# Altium PCB PCB_with_drawing_try2.PcbDoc (part 2 of 5) (continued)
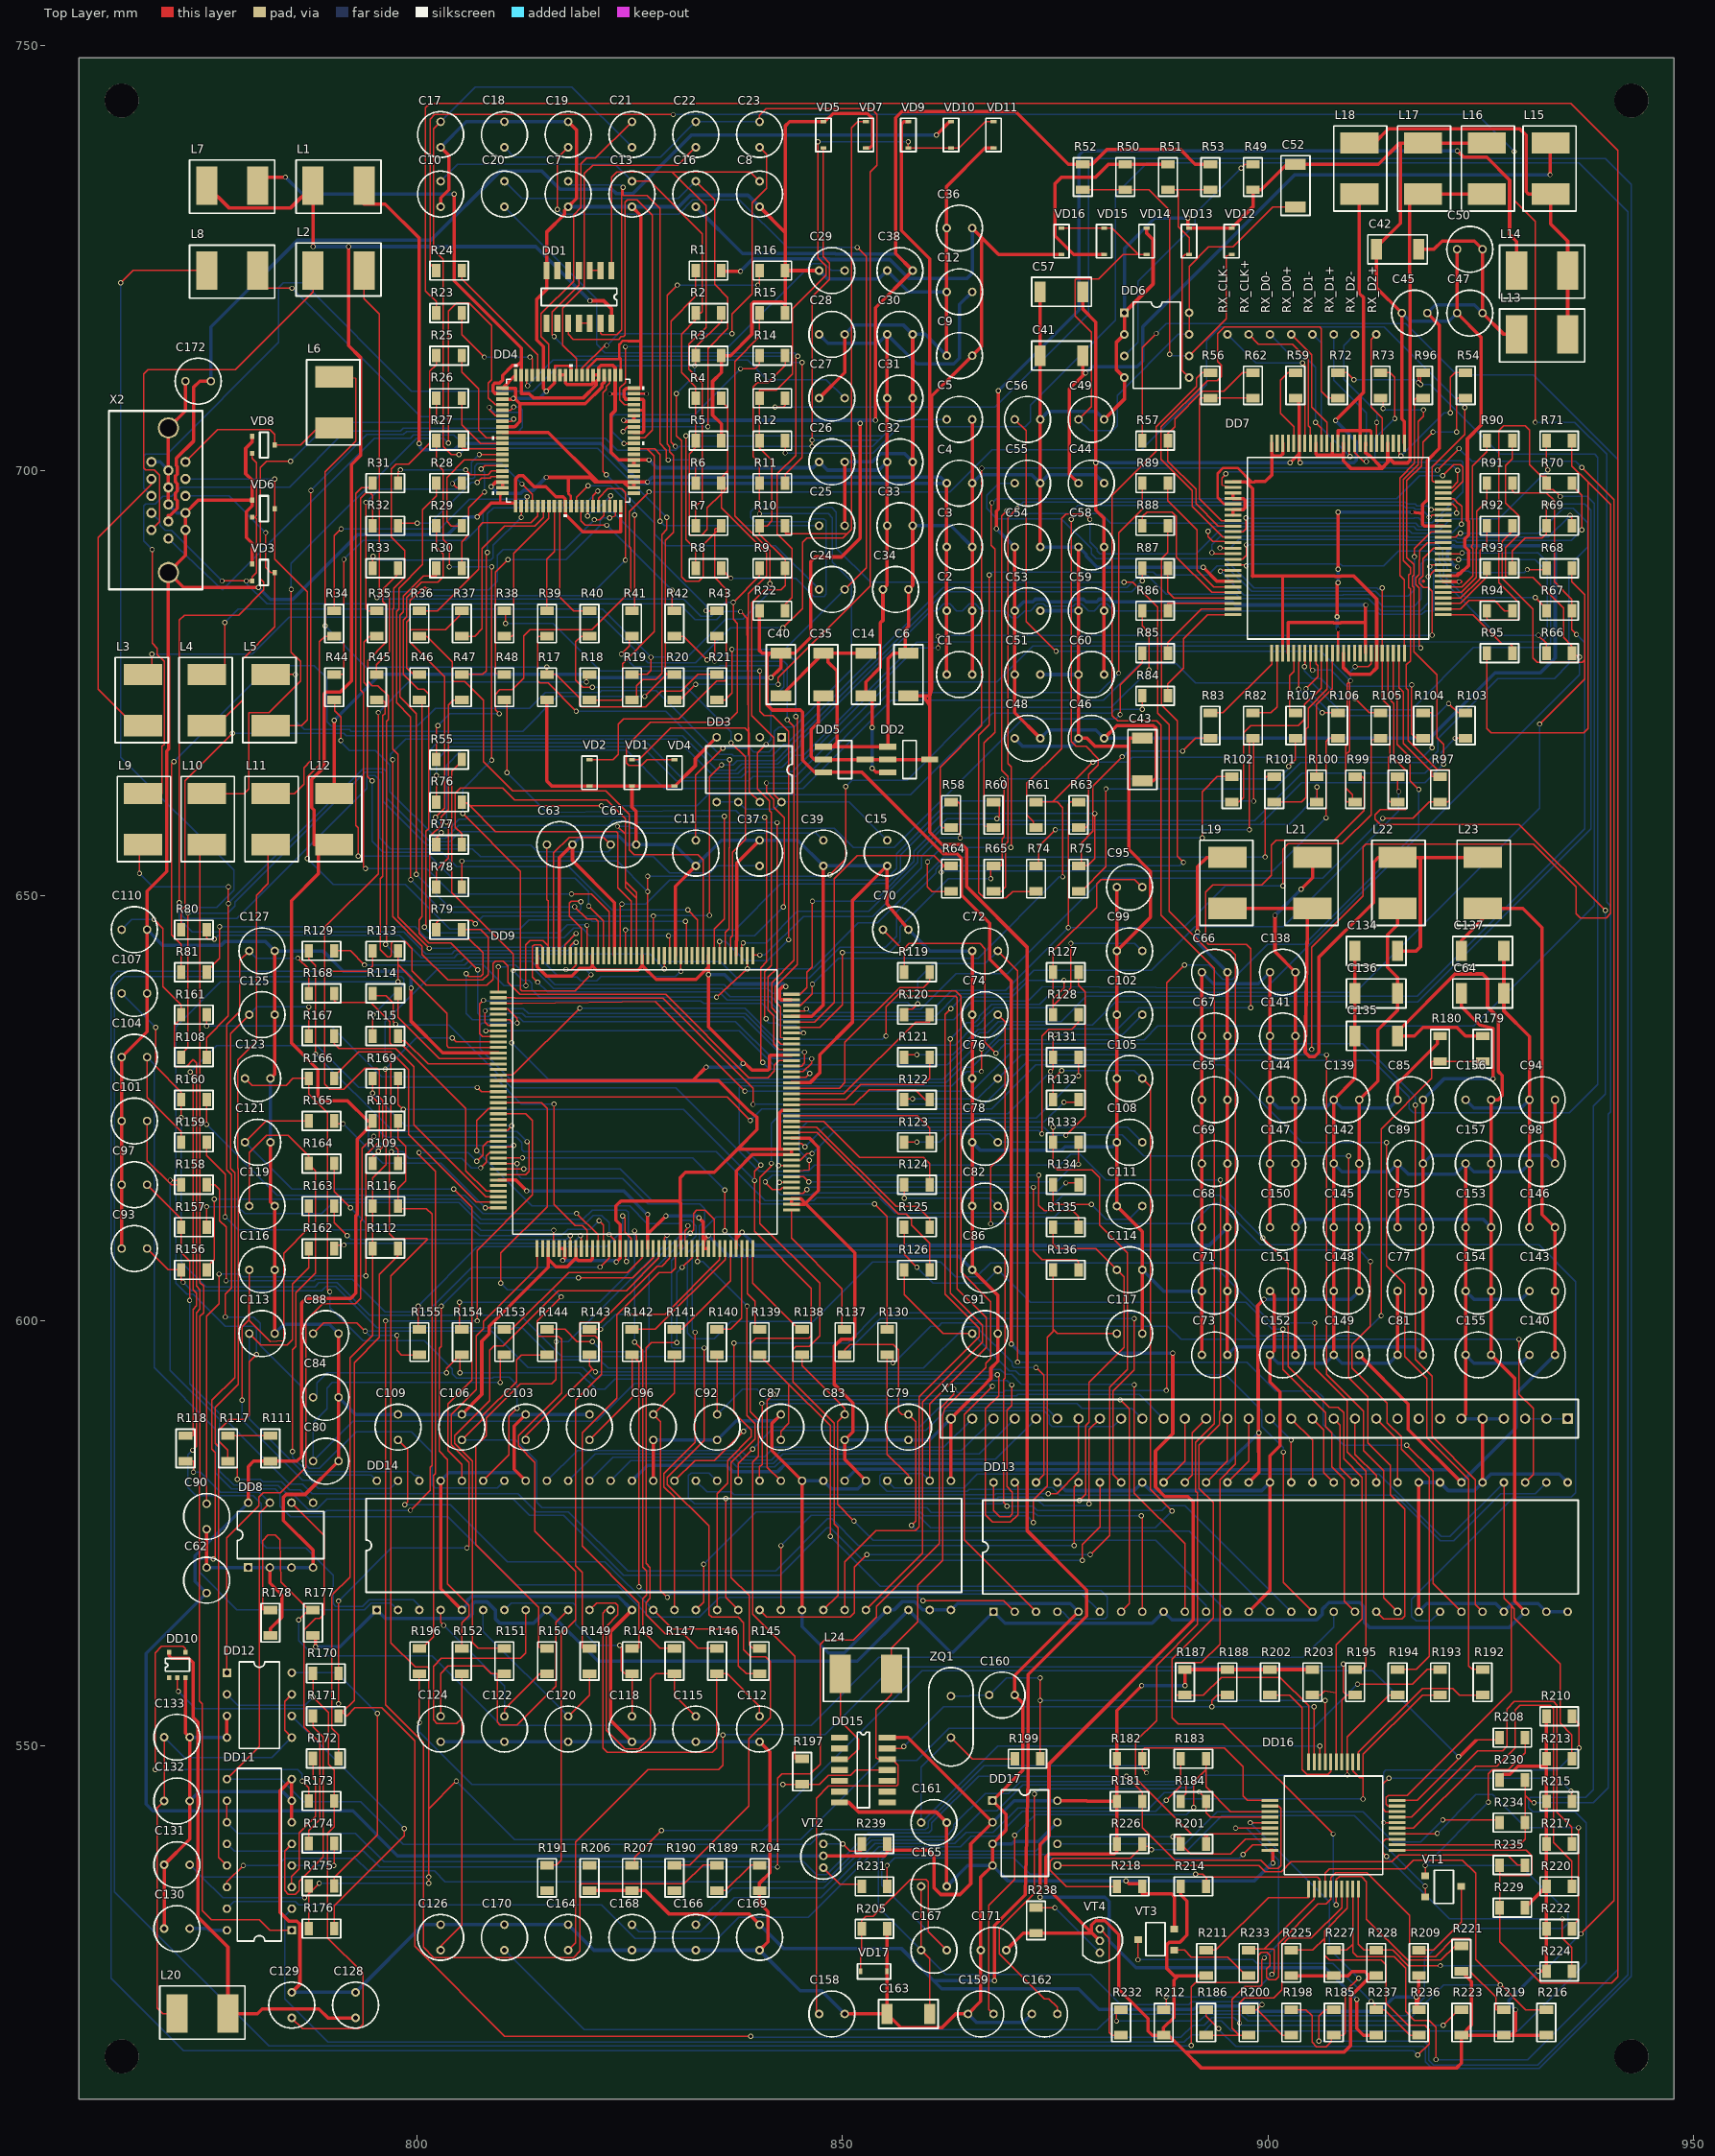
[diagram p0: Top Layer view]
## Nets (pads, with @x,y where several pads share a name; then routed paths per layer and width w, separated by ;. In a path a pad name is that pad's centre, name@x,y a point inside that pad or via, vN(x,y) a via of type N, cw(c..) or ccw(c..) an arc to the next point about the centre after c; other vN are vias at no path point) (continued)
  Bottom Layer w0.15: v1(801.399,643.793) 803.873,643.793 804.008,643.928 817.053,643.928 v1(818.671,645.546)
B_INB0: DD9.1 R73.2 R97.2 | length 184.1
  Top Layer w0.15: v1(809.527,641.634) 809.527,638.65 DD9.1@809.55,638.65 ; R73.2@913.25,708.5 913.54,708.5 v1(913.54,707.268) ; v1(913.514,659.084) 917.085,659.084 919.001,661 R97.2@920.25,661 921.171,661 921.338,661.167 921.338,664.825 919.932,664.825 916.512,668.245 916.512,674.152 916.289,674.375 916.289,677.15 916.753,677.614 916.753,686.073 916.578,686.249 916.578,687.691 916.753,687.867 916.753,688.576 915.936,689.394 915.936,691.156 915.936,698.958 917.652,700.674 917.652,705.742 918.315,706.404 v1(918.315,707.133)
  Bottom Layer w0.15: v1(809.527,641.634) 810.463,641.634 810.644,641.816 811.581,641.816 811.991,641.406 813.732,641.406 816.043,639.094 835.816,639.094 836.786,638.124 841.619,638.124 842.3,637.443 857.64,637.443 858.447,636.637 859.184,636.637 863.356,640.809 869.373,640.809 880.613,652.048 906.479,652.048 v1(913.514,659.084) ; v1(913.54,707.268) 913.675,707.133 v1(918.315,707.133)
B_INB1: DD9.2 R72.2 R96.2 | length 253.6
  Top Layer w0.15: DD9.2@809.55,638 811.469,638 811.493,637.976 828.861,637.976 839.473,627.363 v1(839.473,625.455) ; R72.2@908.25,711.5 909.298,711.5 v1(910.126,710.672) ; v1(917.705,710.316) 917.705,711.5 R96.2@917.959,711.5 ; v1(917.959,710.087) R96.2@917.959,711.5 ; R96.2@918.25,711.5 R96.2@917.959,711.5
  Bottom Layer w0.15: v1(839.473,625.455) 866.677,625.455 871.858,630.636 912.294,630.636 916.587,626.344 916.587,624.972 917.095,624.464 935.46,624.464 938.787,627.791 938.787,701.55 938.429,701.909 927.256,701.909 919.077,710.087 v1(917.959,710.087) ; v1(910.126,710.672) 917.35,710.672 v1(917.705,710.316)
B_INB2: DD9.3 R71.2 R95.2 | length 270.8
  Top Layer w0.15: DD9.3@809.55,637.35 812.38,637.35 827.983,637.529 v1(838.508,627.004) ; v1(905.158,631.932) 905.158,643.92 911.203,649.966 911.203,655.706 911.533,656.036 931.244,656.036 936.222,651.058 936.222,647.889 936.73,647.381 939.778,647.381 940.311,647.914 940.311,695.976 937.661,698.626 ; R95.2@925.75,678.5 925.75,669.676 926.258,669.168 937.153,669.168 937.661,669.676 937.661,698.626 ; R71.2@935.75,703.5 935.75,700.537 937.661,698.626
  Bottom Layer w0.15: v1(838.508,627.004) 865.229,627.004 870.157,631.932 v1(905.158,631.932)
B_INB3: DD9.4 R70.2 R94.2 | length 245.4
  Top Layer w0.15: DD9.4@809.55,636.7 810.626,636.7 811.762,635.564 v1(811.762,635.016) ; R94.2@925.75,683.5 925.75,682.586 925.935,682.401 929.364,682.401 929.542,682.579 929.542,684.408 927.154,686.796 927.154,704.689 927.702,705.236 930.253,705.236 930.761,704.728 930.761,700.696 932.141,699.316 932.75,699.316 R70.2@932.75,698.5 932.75,697.768 933.53,697.768 v1(934.368,696.93)
  Bottom Layer w0.15: v1(811.762,635.016) 807.633,635.016 807.419,634.802 807.419,631.982 811.364,628.037 862.154,628.037 863.95,629.834 865.229,629.834 868.421,633.026 885.449,633.026 887.073,634.649 924.208,634.649 938.381,648.823 938.381,696.092 937.543,696.93 v1(934.368,696.93)
B_INB4: DD9.6 R69.2 R93.2 | length 198.3
  Top Layer w0.15: DD9.6@809.55,635.4 810.872,635.4 811.127,635.145 v1(811.127,632.719) ; R93.2@928.75,688.5 928.75,690.504 930.274,692.028 932.242,692.028 932.75,692.536 R69.2@932.75,693.5 v1(932.75,696.067)
  Bottom Layer w0.15: v1(811.127,632.719) 815.405,628.441 861.81,628.441 866.118,632.75 866.703,632.75 868.72,634.767 879.367,634.767 882.095,637.494 917.617,637.494 937.975,657.852 937.975,695.33 937.238,696.067 v1(932.75,696.067)
B_INB5: DD9.7 R68.2 R92.2 | length 195.5
  Top Layer w0.15: v1(807.977,636.453) 807.977,635.132 808.359,634.75 DD9.7@809.55,634.75 ; R92.2@928.75,693.5 928.75,692.826 927.571,691.647 927.571,687.29 931.142,683.719 931.142,677.931 931.65,677.423 936.978,677.423 937.257,677.702 ; v1(931.955,670.184) 937.257,675.487 937.257,677.702 ; R68.2@935.75,688.5 935.75,686.912 937.257,685.405 937.257,677.702
  Bottom Layer w0.15: v1(807.977,636.453) 808.231,636.707 812.485,636.707 813.064,636.129 838.564,636.129 842.27,632.422 863.215,632.422 865.452,634.659 865.815,634.659 866.515,635.359 866.515,635.504 867.84,636.829 874.576,636.829 876.384,638.637 910.276,638.637 931.955,660.316 v1(931.955,670.184)
B_INB6: DD9.8 R67.2 R91.2 | length 190.2
  Top Layer w0.15: v1(808.054,634.091) 808.063,634.1 DD9.8@809.55,634.1 ; R91.2@928.75,698.5 928.75,697.616 929.004,697.362 932.768,697.362 933.682,696.448 933.682,686.908 935.75,684.84 R67.2@935.75,683.5 935.75,681.248 v1(936.273,680.725)
  Bottom Layer w0.15: v1(808.054,634.091) 837.867,634.091 841.855,630.103 862.353,630.103 866.115,633.865 867.001,633.865 868.308,635.171 875.682,635.171 878.666,638.155 917.578,638.155 937.263,657.84 937.263,679.734 v1(936.273,680.725)
B_INB7: DD9.9 R66.2 R90.2 | length 188
  Top Layer w0.15: v1(807.773,637.696) 807.348,637.272 807.348,633.8 807.698,633.45 DD9.9@809.55,633.45 ; R90.2@928.75,703.5 928.75,701.35 927.967,700.567 927.967,696.194 929.542,694.619 929.542,692.511 927.975,690.944 927.975,687.583 928.133,687.425 931.142,687.425 934.749,683.818 934.749,680.344 935.75,679.343 R66.2@935.75,678.5 935.75,678.21 936.476,678.21 v1(936.628,678.058)
  Bottom Layer w0.15: v1(807.773,637.696) 807.848,637.621 833.352,637.621 833.657,637.316 840.54,637.316 842.445,635.411 863.07,635.411 865.296,637.637 871.833,637.637 873.519,639.323 893.573,639.113 899.783,639.113 936.628,675.958 v1(936.628,678.058)
BA0: C117.2 DD14.16 R136.1 | length 86
  Top Layer w0.15: DD14.16@832.75,566 833.657,566.907 v1(833.657,571.378) ; v1(872.443,576.306) 872.443,578.947 874.083,580.588 874.083,598.088 874.75,598.755 874.75,599.012 ; R136.1@874.75,606 874.75,599.012 ; C117.2@882.25,598.5 875.262,598.5 874.75,599.012
  Bottom Layer w0.15: v1(833.657,571.378) 839.803,577.524 859.143,577.524 859.6,577.068 871.681,577.068 v1(872.443,576.306)
BA1: C114.2 DD14.18 R135.1 | length 95.9
  Top Layer w0.15: v1(836.273,579.125) 836.273,567.477 DD14.18@837.75,566 ; R135.1@874.75,611 874.75,608.999 875.262,608.487 879.763,608.487 C114.2@882.25,606 883.085,605.165 883.085,596.88 878.996,592.79 878.996,588.091 878.589,587.685 878.589,579.608 v1(877.853,578.871)
  Bottom Layer w0.15: v1(836.273,579.125) 868.182,579.125 868.311,579.254 873.412,579.254 873.795,578.871 v1(877.853,578.871)
BA2: C111.2 DD14.15 R134.1 | length 105.5
  Top Layer w0.15: DD14.15@830.25,566 830.25,579.259 829.017,580.492 829.017,582.037 832.666,585.686 v1(832.666,598.658) ; R134.1@874.75,616 874.75,613.898 874.953,613.694 v1(876.354,613.694) v1(879.25,613.694)
  Bottom Layer w0.15: v1(832.666,598.658) 832.311,599.013 832.311,607.933 833.591,609.214 833.591,610.672 835.166,612.247 874.906,612.247 v1(876.354,613.694) ; v1(879.25,613.694) 881.028,611.916 883.666,611.916 C111.2@885.25,613.5
BA3: C108.2 DD14.19 R133.1 | length 114.7
  Top Layer w0.15: DD14.19@840.25,566 841.095,565.155 850.878,565.155 851.386,565.663 851.386,571.022 v1(852.859,572.496) ; v1(874.75,622.762) R133.1@874.75,621 874.75,618.27 875.262,617.758 879.326,617.758 880.24,616.844 880.24,611.256 883.492,608.005 883.492,594.263 881.417,592.189 881.417,574.79 v1(879.123,572.496)
  Bottom Layer w0.15: v1(852.859,572.496) v1(879.123,572.496) ; v1(874.75,622.762) 883.488,622.762 C108.2@885.25,621
BA4: C105.2 DD14.20 R132.1 | length 122.5
  Top Layer w0.15: DD14.20@842.75,566 v1(842.75,573.562) ; R132.1@874.75,626 874.75,628.422 v1(875.77,629.442) ; C105.2@885.25,628.5 886.184,627.566 886.184,580.166 v1(888.724,577.626)
  Bottom Layer w0.15: v1(842.75,573.562) 846.308,577.12 858.896,577.12 860.339,575.677 886.774,575.677 v1(888.724,577.626) ; v1(875.77,629.442) 884.308,629.442 C105.2@885.25,628.5
BA5: C102.2 DD14.22 R131.1 | length 116.9
  Top Layer w0.15: v1(841.632,618.52) 841.632,618.198 840.286,616.852 840.286,611.459 847.322,604.423 847.322,598.251 846.077,597.007 844.528,597.007 844.172,596.651 844.172,592.816 848.998,587.99 848.998,576.137 849.475,575.66 849.475,567.725 DD14.22@847.75,566 ; v1(874.445,629.315) 874.75,629.62 R131.1@874.75,631 874.75,633.401 v1(875.004,633.655)
  Bottom Layer w0.15: v1(841.632,618.52) 841.632,623.219 842.75,624.337 869.467,624.337 v1(874.445,629.315) ; v1(875.004,633.655) 882.905,633.655 C102.2@885.25,636
BA6: C99.2 DD14.23 R128.1 | length 118.2
  Top Layer w0.15: DD14.23@850.25,566 850.25,571.639 853.932,575.321 858.532,575.321 859.008,575.798 859.008,591.065 866.079,598.136 866.079,599.114 862.035,603.158 862.035,636.015 v1(862.719,636.699) ; R128.1@874.75,636 874.75,637.037 ; v1(876.028,640.051) 876.028,639.128 874.75,637.85 874.75,637.037 ; v1(876.862,644.403) 876.862,639.149 874.75,637.037
  Bottom Layer w0.15: v1(862.719,636.699) 864.061,638.041 869.891,638.041 871.9,640.051 v1(876.028,640.051) ; v1(876.862,644.403) 884.347,644.403 C99.2@885.25,643.5
BA7: C95.2 DD14.24 R127.1 | length 109.6
  Top Layer w0.15: DD14.24@852.75,566 859.412,572.662 859.412,590.448 866.483,597.518 866.483,599.461 862.664,603.28 v1(862.664,633.151) ; v1(874.627,638.672) 874.75,638.795 R127.1@874.75,641 874.75,643.514 879.859,648.623 879.859,651.388 880.367,651.896 884.354,651.896 C95.2@885.25,651
  Bottom Layer w0.15: v1(862.664,633.151) 864.576,635.063 865.546,635.063 866.06,635.577 866.06,635.78 867.513,637.233 873.188,637.233 v1(874.627,638.672)
BB0: C91.2 DD13.16 R126.1 | length 76.7
  Top Layer w0.15: R126.1@857.25,606 857.25,603.081 861.831,598.5 C91.2@865.25,598.5 ; v1(901.83,584.561) 901.83,569.22 DD13.16@905.25,565.8
  Bottom Layer w0.15: C91.2@865.25,598.5 869.643,594.107 870.35,594.107 870.778,593.679 895.074,593.679 899.316,589.437 899.316,587.583 901.83,585.069 v1(901.83,584.561)
BB1: C86.2 DD13.18 R125.1 | length 89.4
  Top Layer w0.15: R125.1@857.25,611 857.25,607.805 v1(858.752,606.303) ; v1(901.754,599.013) 901.754,594.289 906.809,589.234 906.809,587.583 907.545,586.847 907.545,582.808 908.993,581.36 908.993,567.057 DD13.18@910.25,565.8
  Bottom Layer w0.15: v1(858.752,606.303) 860.632,604.423 866.673,604.423 C86.2@868.25,606 872.087,602.163 897.4,602.163 900.55,599.013 v1(901.754,599.013)
BB2: C82.2 DD13.15 R124.1 | length 87.8
  Top Layer w0.15: R124.1@857.25,616 857.25,614.434 v1(857.253,614.431) ; C82.2@868.25,613.5 869.09,612.66 869.09,593.262 868.917,593.089 868.917,578.648 v1(869.344,578.221)
  Bottom Layer w0.15: v1(857.253,614.431) 867.319,614.431 C82.2@868.25,613.5 ; v1(869.344,578.221) 872.368,578.221 872.876,577.713 887.539,577.713 888.095,578.269 890.281,578.269 DD13.15@902.75,565.8
BB3: C78.2 DD13.19 R123.1 | length 115.1
  Top Layer w0.15: R123.1@857.25,621 857.25,621.01 v1(858.752,621.01) ; v1(909.517,619.384) 909.517,593.324 911.762,591.079 911.762,585.627 914.403,582.986 914.403,579.557 916.08,577.88 916.08,565.282 915.75,564.952 913.598,564.952 DD13.19@912.75,565.8
  Bottom Layer w0.15: v1(858.752,621.01) 861.419,621.01 862.384,621.975 867.275,621.975 C78.2@868.25,621 875.945,621 877.234,621 878.132,621.899 882.882,621.899 885.397,619.384 v1(909.517,619.384)
BB4: C76.2 DD13.20 R122.1 | length 120.8
  Top Layer w0.15: R122.1@857.25,626 857.25,626.09 v1(858.244,626.09) ; v1(906.91,631.271) 906.91,593.73 911.235,589.405 911.235,584.732 913.591,582.376 913.591,567.459 DD13.20@915.25,565.8
  Bottom Layer w0.15: v1(858.244,626.09) 865.84,626.09 C76.2@868.25,628.5 871.021,631.271 v1(906.91,631.271)
BB5: C74.2 DD13.22 R121.1 | length 167.8
  Top Layer w0.15: R121.1@857.25,631 857.25,631.297 v1(858.752,631.297) ; v1(867.413,611.408) 867.413,618.089 869.09,619.765 869.09,635.16 C74.2@868.25,636
  Bottom Layer w0.15: v1(858.752,631.297) 862.974,631.297 865.947,634.269 866.519,634.269 C74.2@868.25,636 ; v1(867.413,611.408) 891.137,611.408 893.525,613.796 894.287,613.796 899.138,608.945 931.879,608.945 936.197,604.627 936.197,579.76 935.689,579.252 928.932,579.252 916.918,567.238 916.918,565.231 917.426,564.723 919.173,564.723 DD13.22@920.25,565.8
BB6: C72.2 DD13.23 R120.1 | length 139.4
  Top Layer w0.15: R120.1@857.25,636 857.25,636.671 858.234,636.671 v1(858.828,637.266) ; C72.2@868.25,643.5 870.588,641.162 v1(870.588,595.152) ; v1(916.334,585.373) 919.407,582.3 919.407,569.143 DD13.23@922.75,565.8
  Bottom Layer w0.15: v1(858.828,637.266) 858.828,640.16 860.684,642.015 866.765,642.015 C72.2@868.25,643.5 ; v1(870.588,595.152) 897.563,595.152 900.941,591.774 905.742,591.774 906.504,591.012 906.504,587.786 908.917,585.373 v1(916.334,585.373)
BB7: C70.2 DD13.24 R119.1 | length 145.3
  Top Layer w0.15: C70.2@854.75,646 857.25,643.5 ; R119.1@857.25,641 857.25,643.5 ; v1(868.023,631.474) 866.753,632.744 866.753,643.768 866.169,644.352 857.834,644.352 857.25,643.768 857.25,643.5 ; v1(917.35,625.378) 917.35,595.457 919.306,593.501 919.306,586.44 924.411,581.335 924.411,566.639 DD13.24@925.25,565.8
  Bottom Layer w0.15: v1(868.023,631.474) 869.115,632.567 911.149,632.567 917.35,626.366 v1(917.35,625.378)
BL_ON_OFF: R206.2
COAST: C25.2 DD4.29 R18.2 | length 65.3
  Top Layer w0.15: R18.2@820.25,673 823.954,673 824.157,673.203 824.157,677.296 827.891,681.03 827.891,701.68 827.046,702.525 ; DD4.29@825.472,702.525 827.046,702.525 ; v1(828.551,694.008) 828.551,701.883 827.91,702.525 827.046,702.525
  Bottom Layer w0.15: v1(828.551,694.008) 829.059,693.5 C25.2@847.25,693.5
D3_3V: C42.1 C45.2 C47.2 C50.2 DD7.38 DD7.67 L13.2 | length 83.5
  Top Layer w0.3: DD7.38@908.25,678.5 v3@908.25,681.2
  Top Layer w0.4: v4(908.149,682.799) 908.149,686.699 v1(908.25,686.8) ; v1(908.249,688.399) 908.249,695.099 v1(908.25,695.1) ; v3(916.95,695.1) 918.195,694.9 ; C42.1@917.75,726 919.521,726 920.499,726.978 924.272,726.978 C50.2@925.25,726 C47.2@925.25,718.5 927.75,716 L13.2@929.25,716 ; C45.2@918.75,718.5 920.181,717.069 920.181,702.584 918.775,701.178 918.775,696.567 918.195,695.987 918.195,694.9 ; DD7.67@920.6,693.45 918.407,693.45 918.195,693.662 918.195,694.9
  Bottom Layer w0.4: v4(908.149,682.799) 908.149,681.401 v3(908.25,681.3) ; v1(908.249,688.399) 908.249,686.801 v1(908.25,686.8) v1@908.25,686.707 ; v1(908.25,695.1) v3(916.95,695.1) ; C45.2@918.75,718.5 919.71,719.46 924.29,719.46 C47.2@925.25,718.5
D3_V3: DD7.3 DD7.4 DD7.6 DD7.7 | length 5.2
  Top Layer w0.4: DD7.7@895.9,694.75 DD7.6@895.9,695.4 897.125,695.4 897.309,695.584 897.309,696.497 897.106,696.7 DD7.4@895.9,696.7 DD7.3@895.9,697.35
DE_IN: DD9.159 R98.2 | length 123.8
  Top Layer w0.15: v1(814.175,639.831) 813.565,640.441 813.565,644.022 813.769,644.225 814.521,644.225 814.75,643.997 DD9.159@814.75,642.95 ; R98.2@915.25,664 915.25,662.378 v1(915.394,662.234)
  Bottom Layer w0.15: v1(814.175,639.831) 815.324,638.682 835.46,638.682 836.422,637.72 841.226,637.72 843.118,635.829 860.922,635.829 863.538,638.445 869.685,638.445 872.468,641.228 886.292,641.228 891.422,646.359 901.83,646.359 915.394,659.922 v1(915.394,662.234)
FBLK: DD9.23 R189.2 | length 161
  Top Layer w0.15: v1(796.268,600.004) 796.268,554.868 800.713,550.423 800.713,526.344 801.907,525.15 818.391,525.15 819.153,525.912 819.153,533.659 819.28,533.786 831.392,533.786 833.606,536 R189.2@835.25,536 ; v1(807.063,600.004) 807.063,608.302 813.565,614.804 813.565,623.563 812.778,624.35 DD9.23@809.55,624.35
  Bottom Layer w0.15: v1(796.268,600.004) v1(807.063,600.004)
FCLK1: DD9.29 DD12.1 | length 92.4
  Top Layer w0.15: DD12.1@777.63,558.62 777.63,574.508 781.384,578.261 781.384,579.252 781.892,579.76 783.924,579.76 786.921,582.757 786.921,600.055 788.902,602.036 792.737,602.036 793.322,602.62 793.322,611.713 793.499,611.891 793.499,620.298 v1(794.896,621.695) ; DD9.29@809.55,620.45 811.154,620.45 v1(811.33,620.626)
  Bottom Layer w0.15: v1(794.896,621.695) 795.934,620.658 811.299,620.658 v1(811.33,620.626)
G_IN: L5.1 VD6.3 X2.2 | length 45
  Top Layer w0.15: L5.1@782.75,670 786.407,670 787.099,670.692 787.099,685.716 783.25,689.564 VD6.3@783.25,695.5 v1(783.25,699)
  Bottom Layer w0.15: X2.2@772.75,699 v1(783.25,699)
G_INA0: DD9.125 R40.2 | length 54.9
  Top Layer w0.15: R40.2@820.25,680.5 819.288,680.5 818.624,679.836 818.624,675.337 819.478,674.483 820.582,674.483 v1(820.601,674.502) ; DD9.125@836.85,642.95 836.85,645.064 837.053,645.267 837.053,655.089 838.584,656.62 838.584,666.303 v1(836.902,667.986)
  Bottom Layer w0.15: v1(820.601,674.502) 831.638,674.502 836.902,669.238 v1(836.902,667.986)
G_INA1: DD9.126 R39.2 | length 55.9
  Top Layer w0.15: R39.2@815.25,680.5 814.302,680.5 814.15,680.348 814.15,675.264 814.429,674.985 815.394,674.985 v1(818.696,671.683) ; DD9.126@836.2,642.95 836.2,645.673 836.649,646.122 836.649,655.597 836.73,655.678 v1(836.73,665.987)
  Bottom Layer w0.15: v1(818.696,671.683) 829.201,671.683 834.896,665.987 v1(836.73,665.987)
G_INA2: DD9.127 R38.2 | length 79.2
  Top Layer w0.15: R38.2@810.25,683.5 810.39,683.5 v1(810.39,681.995) ; DD9.127@835.55,642.95 v1(835.55,644.606) ; v1(840.261,676.407) 840.261,671.708 840.769,671.2 841.785,671.2 843.664,669.32 v1(843.664,644.809)
  Bottom Layer w0.15: v1(810.39,681.995) 815.945,681.995 821.533,676.407 v1(840.261,676.407) ; v1(835.55,644.606) 836.273,644.606 838.534,642.346 841.201,642.346 v1(843.664,644.809)
G_INA3: DD9.128 R37.2 | length 83.5
  Top Layer w0.15: v1(802.161,659.209) 803.23,660.278 803.23,675.77 799.175,679.825 799.175,681.143 799.316,681.284 803.355,681.284 804.955,682.884 804.955,683.5 R37.2@805.25,683.5 ; DD9.128@834.9,642.95 834.9,646.078 836.095,647.273 v1(836.095,659.313)
  Bottom Layer w0.15: v1(802.161,659.209) 802.161,658.963 803.126,657.998 803.888,657.998 804.904,659.014 805.691,659.014 805.99,659.313 v1(836.095,659.313)
G_INA4: DD9.130 R36.2 | length 63.5
  Top Layer w0.15: R36.2@800.25,680.5 801.141,680.5 804.142,677.499 804.142,675.315 804.269,675.188 805.615,675.188 807.8,673.003 807.8,665.764 811.254,662.31 822.176,662.31 824.919,659.567 824.919,655.376 825.478,654.817 832.996,654.817 833.6,654.213 DD9.130@833.6,642.95
G_INA5: DD9.131 R35.2 | length 71.9
  Top Layer w0.15: v1(794.693,663.504) 794.16,664.037 794.16,674.636 793.753,675.042 793.753,679.814 794.439,680.5 R35.2@795.25,680.5 ; v1(831.803,648.315) 832.95,647.167 DD9.131@832.95,642.95
  Bottom Layer w0.15: v1(794.693,663.504) 794.693,656.392 795.973,655.112 802.933,655.112 804.625,653.42 817.807,653.42 822.913,648.315 v1(831.803,648.315)
G_INA6: DD9.133 R34.2 | length 80.6
  Top Layer w0.15: v1(787.071,654.362) 787.071,663.929 788.521,665.379 788.521,679.865 789.156,680.5 R34.2@790.25,680.5 ; v1(831.523,646.968) 831.65,646.842 DD9.133@831.65,642.95
  Bottom Layer w0.15: v1(787.071,654.362) 790.121,651.312 798.579,651.312 803.837,646.054 812.067,646.054 813.153,647.14 820.413,647.14 820.584,646.968 v1(831.523,646.968)
G_INA7: DD9.134 R33.2 | length 86.8
  Top Layer w0.15: v1(796.268,644.276) 796.365,644.373 796.365,670.496 796.615,670.746 796.615,673.469 795.4,674.684 794.704,674.684 794.175,675.213 794.175,677.62 796.337,679.782 796.337,684.213 795.944,684.606 795.944,686.008 797.75,687.814 R33.2@797.75,688.5 ; v1(831,641.111) DD9.134@831,642.95
  Bottom Layer w0.15: v1(796.268,644.276) 798.232,642.312 805.22,642.312 805.624,642.716 814.408,642.716 816.672,640.452 818.777,640.452 819.265,639.964 821.088,639.964 821.616,640.491 830.38,640.491 v1(831,641.111)
G_INB0: DD9.136 R81.2 R89.2 | length 163.1
  Top Layer w0.15: R81.2@775.25,641 775.25,641.076 776.786,642.612 v1(776.786,646.359) ; v1(829.542,645.292) 829.7,645.134 DD9.136@829.7,642.95 ; v1(841.048,663.25) 841.048,662.208 841.937,661.319 841.937,660.38 843.131,659.186 843.131,648.772 v1(843.029,648.67) ; v1(882.456,676.159) 882.456,692.663 885.25,695.457 R89.2@885.25,698.5
  Bottom Layer w0.15: v1(776.786,646.359) 799.761,646.359 801.046,645.074 817.265,645.074 818.366,646.175 819.382,646.175 820.265,645.292 v1(829.542,645.292) 839.651,645.292 v1(843.029,648.67) ; v1(841.048,663.25) 844.909,663.25 855.526,673.867 880.164,673.867 v1(882.456,676.159)
G_INB1: DD9.137 R80.2 R88.2 | length 169.6
  Top Layer w0.15: R80.2@775.25,646 775.25,645.038 775.402,644.886 v1(776.151,644.886) ; v1(829.05,641.406) DD9.137@829.05,642.95 ; R88.2@888.25,693.5 888.25,690.377 887.475,689.602 887.475,672.419 889.334,670.561 889.334,654.665 v1(890.07,653.928)
  Bottom Layer w0.15: v1(776.151,644.886) 776.591,645.326 797.911,645.326 800.521,642.716 804.34,642.716 804.744,643.12 827.336,643.12 v1(829.05,641.406) 829.05,642.244 835.658,642.244 837.563,640.339 846.077,640.339 849.678,643.94 855.063,643.94 856.362,645.239 856.362,648.084 860.968,652.689 860.968,653.064 861.4,653.496 889.638,653.496 v1(890.07,653.928)
G_INB2: DD9.139 R79.2 R87.2 | length 116.6
  Top Layer w0.15: R79.2@802.25,646 802.25,646.816 802.529,647.095 806.428,647.095 v1(806.829,646.694) ; DD9.139@827.75,642.95 v1(827.75,647.62) ; v1(834.368,647.68) 834.368,663.936 v1(835.79,665.358) ; v1(885.25,687.024) R87.2@885.25,688.5
  Bottom Layer w0.15: v1(806.829,646.694) 807.755,647.62 v1(827.75,647.62) 827.809,647.68 v1(834.368,647.68) ; v1(835.79,665.358) 837.111,665.358 837.619,665.866 842.176,665.866 843.624,667.314 843.806,667.314 844.136,667.644 844.136,667.826 862.064,685.754 883.98,685.754 v1(885.25,687.024)
G_INB3: DD9.140 R78.2 R86.2 | length 117
  Top Layer w0.15: R78.2@805.25,651 v1(805.25,654.055) ; DD9.140@827.1,642.95 v1(827.1,650.477) v1(827.1,652.277) ; v1(848.516,652.429) 850.37,654.284 v1(850.37,662.843) ; R86.2@885.25,683.5 885.25,681.71 886.032,680.928 v1(886.032,676.551)
  Bottom Layer w0.15: v1(805.25,654.055) 823.522,654.055 v1(827.1,650.477) ; v1(827.1,652.277) 827.11,652.267 848.353,652.267 v1(848.516,652.429) ; v1(850.37,662.843) 851.109,663.582 857.586,663.582 866.118,672.114 881.595,672.114 v1(886.032,676.551)
G_INB4: DD9.142 R77.2 R85.2 | length 123.5
  Top Layer w0.15: R77.2@805.25,656 805.25,657.281 804.472,658.059 804.472,662.056 805.082,662.666 810.06,662.666 811.457,661.269 822.289,661.269 824.487,659.07 824.487,657.23 ; v1(823.548,658.17) 824.487,657.23 ; DD9.142@825.8,642.95 825.8,649.684 ; v1(882.628,671.276) 882.628,674.781 885.25,677.403 R85.2@885.25,678.5 ; 824.487,651.659 825.8,650.347 825.8,649.684 ; 824.487,651.659 824.487,650.997 825.8,649.684 ; 824.487,651.659 824.487,657.23
  Bottom Layer w0.15: v1(823.548,658.17) 824.945,658.17 825.173,657.941 848.998,657.941 851.284,655.655 856.085,655.655 871.198,670.768 882.12,670.768 v1(882.628,671.276)
G_INB5: DD9.143 R76.2 R84.2 | length 120.3
  Top Layer w0.15: R76.2@805.25,661 805.25,660.932 805.822,660.932 806.197,660.557 ; v1(821.643,660.557) 806.197,660.557 ; DD9.143@825.15,642.95 825.15,649.345 823.598,650.897 823.598,657.357 823.404,657.551 809.203,657.551 806.197,660.557 ; v1(885.25,671.905) R84.2@885.25,673.5
  Bottom Layer w0.15: v1(821.643,660.557) 832.892,660.557 834.187,661.853 858.015,661.853 867.617,671.454 881.548,671.454 881.999,671.905 v1(885.25,671.905)
G_INB6: DD9.144 R75.2 R83.2 | length 98.6
  Top Layer w0.15: DD9.144@824.5,642.95 v1(824.5,645.978) ; R75.2@877.75,653.5 R75.2@878.056,653.5 ; v1(879.656,659.643) 879.656,654.338 878.818,653.5 R75.2@878.056,653.5 ; v1(882.882,666.349) 879.428,662.894 879.428,657.56 878.056,656.189 R75.2@878.056,653.5 ; v1(889.976,666.984) 891.493,668.5 R83.2@893.25,668.5
  Bottom Layer w0.15: v1(824.5,645.978) 837.323,645.978 842.708,651.363 853.822,651.363 853.889,651.43 855.238,651.43 856.836,653.028 856.836,654.75 861.779,659.694 879.605,659.694 v1(879.656,659.643) ; v1(882.882,666.349) 882.984,666.349 883.619,666.984 v1(889.976,666.984)
G_INB7: DD9.145 R74.2 R82.2 | length 133.3
  Top Layer w0.15: DD9.145@823.85,642.95 823.85,648.795 v1(824.065,649.01) ; R74.2@872.75,653.5 873.052,653.5 873.052,655.782 v1(875.008,657.738) ; v1(897.843,657.738) 897.843,668.5 R82.2@898.25,668.5 898.351,668.5 v1(898.351,661.108)
  Bottom Layer w0.15: v1(824.065,649.01) 826.859,649.01 829.65,651.8 853.385,651.8 853.418,651.834 855.007,651.834 856.362,653.189 856.362,654.932 862.537,661.108 v1(898.351,661.108) ; v1(875.008,657.738) v1(897.843,657.738)
GA0: C126.2 DD14.8 R152.1 | length 60.1
  Top Layer w0.15: C126.2@802.75,526 802.75,526.501 805.234,528.985 805.234,553.242 ; R152.1@805.25,558.5 805.234,558.5 805.234,553.242 ; DD14.8@812.75,566 812.75,560.961 812.11,560.321 802.839,560.321 801.907,559.389 801.907,553.09 802.339,552.658 804.65,552.658 805.234,553.242
GA1: C124.2 DD14.10 R151.1 | length 37.5
  Top Layer w0.15: C124.2@802.75,553.5 802.75,558.536 803.634,559.42 807.794,559.42 808.714,558.5 809.4,558.5 ; R151.1@810.25,558.5 809.4,558.5 ; DD14.10@817.75,566 816.334,564.584 816.334,557.052 811.762,552.48 809.73,552.48 809.4,552.811 809.4,558.5
GA2: C122.2 DD14.4 R150.1 | length 23.2
  Top Layer w0.15: DD14.4@802.75,566 802.75,564.54 v1(803.101,564.19) ; C122.2@810.25,553.5 810.25,554.321 814.429,558.5 R150.1@815.25,558.5
  Bottom Layer w0.15: v1(803.101,564.19) 810.25,557.04 C122.2@810.25,553.5
GA3: C120.2 DD14.6 R149.1 | length 22.7
  Top Layer w0.15: C120.2@817.75,553.5 820.25,556 R149.1@820.25,558.5
  Bottom Layer w0.15: DD14.6@807.75,566 807.75,563.5 C120.2@817.75,553.5
GA4: C118.2 DD14.7 R148.1 | length 26.7
  Top Layer w0.15: v1(823.802,561.853) 824.005,561.65 824.005,558.932 824.437,558.5 R148.1@825.25,558.5 C118.2@825.25,553.5
  Bottom Layer w0.15: DD14.7@810.25,566 811.079,566.829 818.318,566.829 818.595,566.552 818.595,564.342 821.084,561.853 v1(823.802,561.853)
GA5: C115.2 DD14.11 R147.1 | length 41.7
  Top Layer w0.15: DD14.11@820.25,566 821.081,566.831 823.319,566.831 823.598,566.552 823.598,565.434 822.227,564.063 822.227,551.855 824.411,549.671 826.088,549.671 827.434,551.017 827.434,557.916 828.018,558.5 R147.1@830.25,558.5 830.25,556 C115.2@832.75,553.5
GA6: C112.2 DD14.12 R146.1 | length 47.3
  Top Layer w0.15: DD14.12@822.75,566 822.176,566 821.82,565.644 821.82,549.788 822.341,549.267 834.711,549.267 835.232,549.788 835.232,558.5 R146.1@835.25,558.5 836.426,558.5 840.25,554.676 C112.2@840.25,553.5
GA7: C109.2 DD14.14 R145.1 | length 60.3
  Top Layer w0.15: C109.2@797.75,586 798.859,584.891 798.859,578.693 v1(798.554,578.388) ; DD14.14@827.75,566 829.992,563.758 837.162,563.758 837.746,563.174 837.746,559.44 838.686,558.5 R145.1@840.25,558.5
  Bottom Layer w0.15: v1(798.554,578.388) 803.913,578.388 810.625,571.677 822.073,571.677 DD14.14@827.75,566
GB0: C106.2 DD13.8 R144.1 | length 113.6
  Top Layer w0.15: C106.2@805.25,586 807.624,588.374 807.624,588.793 811.66,592.829 811.66,595.39 812.27,596 R144.1@815.25,596 ; v1(885.117,577.068) 885.25,576.935 DD13.8@885.25,565.8
  Bottom Layer w0.15: C106.2@805.25,586 811.567,586 814.048,583.519 814.048,578.642 814.679,578.011 859.888,578.011 860.408,577.491 872.521,577.491 872.945,577.068 v1(885.117,577.068)
GB1: C103.2 DD13.10 R143.1 | length 107.3
  Top Layer w0.15: C103.2@812.75,586 812.75,586.505 820.605,594.361 ; R143.1@820.25,596 820.246,596 820.246,594.721 820.605,594.361 ; v1(820.957,594.009) 820.605,594.361 ; v1(884.304,592.485) 884.304,579.735 890.25,573.789 DD13.10@890.25,565.8
  Bottom Layer w0.15: v1(820.957,594.009) 867.273,594.009 867.572,594.308 868.534,594.308 869.139,593.703 869.879,593.703 871.046,592.536 884.254,592.536 v1(884.304,592.485)
GB2: C100.2 DD13.4 R142.1 | length 103.9
  Top Layer w0.15: C100.2@820.25,586 825.275,591.025 R142.1@825.275,596 ; R142.1@825.25,596 R142.1@825.275,596 ; v1(826.088,568.736) 826.088,595.187 R142.1@825.275,596
  Bottom Layer w0.15: v1(826.088,568.736) 826.529,568.295 880.377,568.295 881.104,567.568 881.104,565.225 880.85,564.971 876.684,564.971 875.855,565.8 DD13.4@875.25,565.8
GB3: C96.2 DD13.6 R141.1 | length 82.1
  Top Layer w0.15: v1(829.415,567.492) 828.613,568.294 828.613,588.137 C96.2@827.75,589 830.25,591.5 R141.1@830.25,596
  Bottom Layer w0.15: v1(829.415,567.492) 829.815,567.891 878.159,567.891 DD13.6@880.25,565.8
GB4: C92.2 DD13.7 R140.1 | length 81.9
  Top Layer w0.15: C92.2@835.25,589 R140.1@835.25,596 ; v1(882.653,590.707) 883.695,589.666 883.695,566.745 DD13.7@882.75,565.8
  Bottom Layer w0.15: C92.2@835.25,589 838.227,591.977 839.931,591.977 841.201,590.707 v1(882.653,590.707)
GB5: C87.2 DD13.11 R139.1 | length 80
  Top Layer w0.15: R139.1@840.25,596 843.69,592.56 ; C87.2@842.75,586 842.75,587.024 843.69,587.964 843.69,592.56 ; v1(848.592,574.661) 848.592,587.658 843.69,592.56
  Bottom Layer w0.15: v1(848.592,574.661) 854.44,568.813 890.502,568.813 892.763,566.552 892.763,565.8 DD13.11@892.75,565.8
GB6: C83.2 DD13.12 R138.1 | length 71.1
  Top Layer w0.15: R138.1@845.25,596 845.239,596 845.239,594.746 850.25,589.735 C83.2@850.25,589 849.405,588.155 849.405,578.414 v1(851.361,576.458)
  Bottom Layer w0.15: v1(851.361,576.458) 853.602,574.217 886.833,574.217 DD13.12@895.25,565.8
GB7: C79.2 DD13.14 R137.1 | length 75.9
  Top Layer w0.15: R137.1@850.25,596 850.243,596 850.243,596.575 850.878,597.21 855.958,597.21 856.593,596.575 856.593,589.381 856.974,589 C79.2@857.75,589 858.604,588.146 858.604,576.437 v1(858.117,575.95)
  Bottom Layer w0.15: v1(858.117,575.95) 858.794,575.273 890.777,575.273 DD13.14@900.25,565.8